# Allegro board 6089-119-RevB_08.brd (continued)
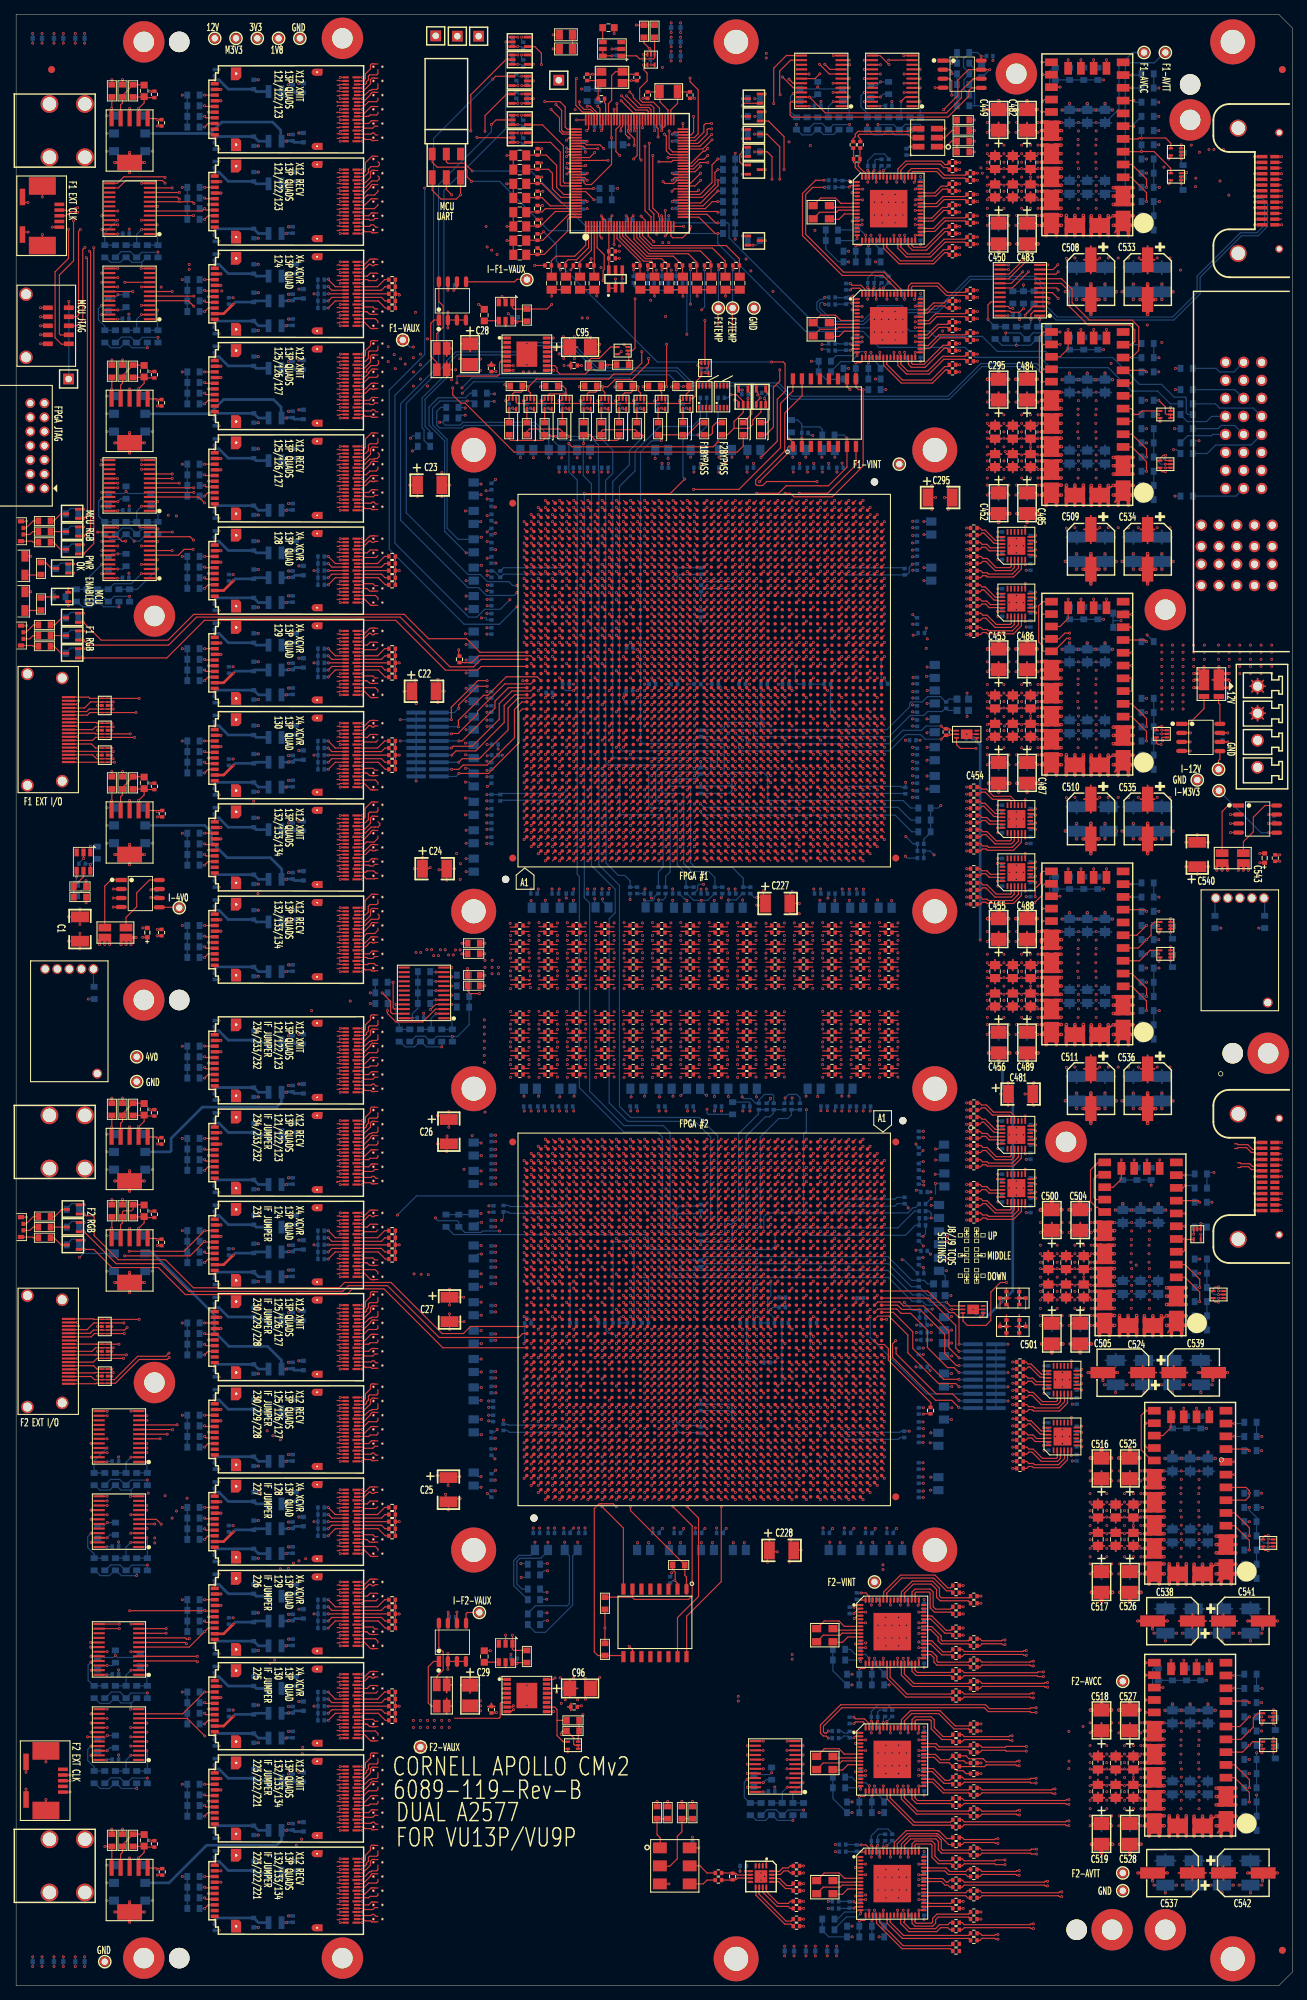
[diagram p0: board, top side]
## Routing (per net, layer and track width the routed paths; a pad name or vN(x,y) marks a point on that pad's centre or on a via; arc(x,y) is an arc through that point) (continued)
N19819505: length 9.5
  TOP w0.165: U75.U21 v1(87.61,178.51)
  SIG4 w0.079: v1(91.6,183.4) 91.5,183.4 91,182.9 91,179.2 90.75,178.95 88.05,178.95 v1(87.61,178.51)
  BOTTOM w0.165: R437.2 v1(91.6,183.4)
N19819631: length 12.7
  TOP w0.165: U75.V21 v1(88.61,178.51)
  SIG4 w0.079: v1(94.6,183.4) 94.5,183.4 94,182.9 94,178.3 93.65,177.95 89.17,177.95 v1(88.61,178.51)
  BOTTOM w0.165: R432.2 v1(94.6,183.4)
N19850586: length 12.5
  TOP w0.165: U75.AT15 v1(107.39,172.51)
  SIG4 w0.079: v1(107.39,172.51) 108,173.12 108,182.85 107.45,183.4 v1(107.45,183.39)
  BOTTOM w0.165: v1(107.45,183.39) 107.45,183.4 R385.2
N19850732: length 14.6
  TOP w0.165: U77.AT15 v1(86.61,105.29)
  BOTTOM w0.165: v1(86.61,105.29) 86.17,104.85 84.3,104.85 84.15,104.7 R453.2
N20924230: length 5.8
  TOP w0.165: U71.1 90.8,19.49 90.8,20.85 90.35,21.3 R112.2 R111.2
N20924377: length 10.3
  TOP w0.165: R109.2 R110.2 93.85,21.7 93.2,21.05 93.2,17.9 92.15,16.85 90.8,16.85 U71.2
N20926107: length 7
  TOP w0.165: X3.2 113.42,251.9 115.5,251.9 116.25,251.15 U86.7
N20926109: length 4.2
  TOP w0.165: X3.4 114.72,248.9 116,248.9 116.75,249.65 U86.10
N20926735: length 7
  TOP w0.165: U87.7 116.25,234.65 115.5,235.4 113.42,235.4 X4.2
N20926756: length 4.2
  TOP w0.165: U87.10 116.75,233.15 116,232.4 114.72,232.4 X4.4
N20932170: length 3.8
  TOP w0.165: v1(118.36,245.2) 118.37,245.2 119.1,245.2 119.25,245.35 U86.17
  BOTTOM w0.165: R347.1 R346.2 v1(118.36,245.2)
N20932208: length 3.1
  TOP w0.165: v1(120.14,245.2) 120.25,245.31 U86.19
  BOTTOM w0.165: v1(120.14,245.2) R325.2 R326.1
N20973779: length 3.8
  TOP w0.165: U87.17 119.25,228.85 119.1,228.7 118.37,228.7 v1(118.36,228.7)
  BOTTOM w0.165: v1(118.36,228.7) R348.2 R349.1
N20973817: length 3.1
  TOP w0.165: v1(120.14,228.7) 120.25,228.81 U87.19
  BOTTOM w0.165: v1(120.14,228.7) R327.2 R328.1
N21082310: length 4.7
  TOP w0.165: R144.2 R143.2 131.85,259.9 131.08,259.13 U92.1
N21082363: length 4.8
  TOP w0.165: R141.2 R142.2 131.9,261.4 130.9,260.4 U92.2
N21248818: length 11.1
  TOP w0.165: R75.1 63.25,186.45 63.28,186.43 63.6,186.43 63.62,186.45 64.25,186.45 65.2,187.4 72.55,187.4 73,186.95 U75.B29
N21249011: length 13.2
  TOP w0.165: R140.1 128.95,81.55 128.95,82.15 122.95,88.15 122.95,89.78 122.38,90.36 121.54,90.36 U77.B29
N21280069: length 5.7
  TOP w0.165: U75.BD21 v1(115.39,178.51)
  BOTTOM w0.165: R370.2 114.8,179.05 115.34,178.51 v1(115.39,178.51)
N21280113: length 8.4
  TOP w0.165: U75.L30 v1(81.61,188.29)
  SIG4 w0.079: v1(81.61,188.29) 81.17,187.85 79.45,187.85 79.1,187.5 79.1,183.8 78.69,183.39 v1(78.6,183.39)
  BOTTOM w0.165: v1(78.6,183.39) 78.6,183.4 R460.2
N21280155: length 15.1
  TOP w0.165: U75.W32 v1(89.61,190.29)
  SIG4 w0.079: v1(89.61,190.29) 90.05,189.85 94.6,189.85 95.05,189.4 95.05,183.9 95.55,183.4 v1(97.4,183.4)
  BOTTOM w0.165: R422.2 v1(97.4,183.4)
N21280269: length 6.7
  TOP w0.165: U77.BD21 v1(78.61,99.29)
  BOTTOM w0.165: v1(78.61,99.29) 78.1,98.78 R459.2
N21280313: length 4.6
  TOP w0.165: U77.L30 v1(112.39,89.51)
  BOTTOM w0.165: R375.2 111.95,89.95 v1(112.39,89.51)
N21280357: length 7.4
  TOP w0.165: U77.W32 v1(104.39,87.51)
  BOTTOM w0.165: v1(104.39,87.51) 103.95,87.95 103.35,87.95 103,88.3 R409.2
N21339021: length 2
  TOP w0.165: U77.U24 v1(106.39,96.29)
  BOTTOM w0.165: R388.2 107.1,97 v1(106.39,96.29)
N21339091: length 1.8
  TOP w0.165: U77.U25 v1(106.39,95.29)
  BOTTOM w0.165: R389.2 106.7,95.6 v1(106.39,95.29)
N21339158: length 1.3
  TOP w0.165: U75.U25 v1(87.61,182.51)
  BOTTOM w0.165: R451.2 87.6,182.5 v1(87.61,182.51)
N21339226: length 1.6
  TOP w0.165: U75.U24 v1(87.61,181.51)
  BOTTOM w0.165: R452.2 v1(87.61,181.51)
N21339296: length 1.3
  TOP w0.165: U75.D24 v1(74.61,181.51)
  BOTTOM w0.165: v1(74.61,181.51) 74.7,181.6 R461.2
N21339365: length 1.5
  TOP w0.165: U75.T31 v1(86.61,189.29)
  BOTTOM w0.165: R450.2 86.05,188.65 86.61,189.21 v1(86.61,189.29)
N21339436: length 1.9
  TOP w0.165: U77.T31 v1(107.39,88.51)
  BOTTOM w0.165: R395.2 106.68,87.8 v1(107.39,88.51)
N21339504: length 1.2
  TOP w0.165: U77.D24 v1(119.39,96.29)
  BOTTOM w0.165: v1(119.39,96.29) 119.39,96.84 R336.2
N21429495: length 5.6
  TOP w0.165: v1(131.9,266.4) 131.9,268.4 131.59,268.71 U93.3
  BOTTOM w0.165: v1(131.9,266.4) R293.1 R294.2
N21429547: length 3.9
  TOP w0.165: v1(131.9,269.4) 131.9,269.75 131.66,269.99 U93.2
  BOTTOM w0.165: v1(131.9,269.4) R291.1 R292.2
N21429593: length 3.6
  TOP w0.165: v1(131.9,270.9) 131.54,271.25 U93.1
  BOTTOM w0.165: v1(131.9,270.9) R290.2 R289.1
N21827883: length 30.5
  TOP w0.165: U68.110 80.2,256.4 v1(80.3,256.5)
  SIG2 w0.079: TP4.1 69.5,274.7 70.3,273.9 73.6,273.9 78.3,269.2 78.3,258.1 79.9,256.5 v1(80.3,256.5)
N21827890: length 13.5
  TOP w0.165: U68.109 v1(77.7,256.8)
  SIG2 w0.079: TP5.1 76.5,258 v1(77.7,256.8)
N184541773: length 1.9
  TOP w0.165: U2.4 v1(8.53,156.24)
  BOTTOM w0.165: C1229.2 8.5,156.21 v1(8.53,156.24)

## Copper pours and planes (outline as drawn; the poured copper is in the pictures)
12V_INPUT on TOP: 177.5,189.9 177.5,177.4 172.5,177.4 172.5,182.4 168.5,182.4 168.5,189.9
12V_INPUT on PWR4: 165.5,201.4 165.5,187.4 168.5,187.4 168.5,176.9 178.5,176.9 178.5,201.4
GND on TOP: 136.7,180.55 136.7,177.45 144.65,177.45 144.65,180.55
GND on TOP: 154.75,101.45 154.75,98.45 161.8,98.45 161.8,101.45
GND on TOP: 161.75,66.45 161.75,63.45 168.8,63.45 168.8,66.45
GND on TOP: 147.25,256.45 147.25,253.45 154.3,253.45 154.3,256.45
GND on TOP: 136.7,256.55 136.7,253.45 144.65,253.45 144.65,256.55
GND on TOP: 161.75,30.95 161.75,27.95 168.8,27.95 168.8,30.95
GND on TOP: 136.7,142.55 136.7,139.45 144.65,139.45 144.65,142.55
GND on TOP: 151.2,31.05 151.2,27.95 159.15,27.95 159.15,31.05
GND on TOP: 136.7,218.55 136.7,215.45 144.65,215.45 144.65,218.55
GND on TOP: 147.25,218.45 147.25,215.45 154.3,215.45 154.3,218.45
GND on TOP: 144.2,101.55 144.2,98.45 152.15,98.45 152.15,101.55
GND on TOP: 147.25,142.45 147.25,139.45 154.3,139.45 154.3,142.45
GND on TOP: 151.2,66.55 151.2,63.45 159.15,63.45 159.15,66.55
GND on TOP: 147.25,180.45 147.25,177.45 154.3,177.45 154.3,180.45
GND on BOTTOM: 136.7,142.55 136.7,139.45 154.3,139.45 154.3,142.55
GND on BOTTOM: 144.2,101.55 144.2,98.45 161.8,98.45 161.8,101.55
GND on BOTTOM: 136.7,180.55 136.7,177.45 154.3,177.45 154.3,180.55
GND on BOTTOM: 136.7,256.55 136.7,253.45 154.3,253.45 154.3,256.55
GND on BOTTOM: 136.7,218.55 136.7,215.45 154.3,215.45 154.3,218.55
GND on BOTTOM: 151.2,31.05 151.2,27.95 168.8,27.95 168.8,31.05
GND on BOTTOM: 151.2,66.55 151.2,63.45 168.8,63.45 168.8,66.55
GND on GND1: 1,1.9 1,209.5 6,209.5 6,224.5 1,224.5 1,275.9 179.5,275.9 179.5,230.9 164.5,230.9 164.5,195.4 179.5,195.4 179.45,177 173.5,177 173.5,170 179.45,170 179.5,1.9 ; 3 cut-outs
GND on GND2: 1,1.9 1,209.5 6,209.5 6,224.5 1,224.5 1,275.9 179.5,275.9 179.5,230.9 164.5,230.9 164.5,195.4 179.5,195.4 179.5,177 173.5,177 173.5,170 179.5,170 179.5,1.9 ; 3 cut-outs
GND on GND3, GND4: 1,1.9 1,209.5 6,209.5 6,224.5 1,224.5 1,275.9 179.5,275.9 179.5,230.9 164.5,230.9 164.5,195.4 179.5,195.4 179.5,177 173.5,177 173.5,170 179.5,170 179.5,1.9 ; 3 cut-outs
GND on GND5: 1,1.9 1,209.5 6,209.5 6,224.5 1,224.5 1,275.9 179.5,275.9 179.5,230.9 164.5,230.9 164.5,195.4 179.5,195.4 179.5,177 173.5,177 173.5,170 179.5,170 179.5,1.9 ; 3 cut-outs
GND on GND6: 1,1.9 1,209.5 3,209.5 3,224.5 1,224.5 1,275.9 179.5,275.9 179.5,1.9
(no net) on PWR4: 65,104.4 77.5,104.4 77.5,110.4 116.5,110.4 116.5,104.4 127,104.4 127,83.7 116.6,83.7 116.6,78.4 77.5,78.4 77.5,83.2 64.5,83.34 64.5,32.6 55.5,32.6 55.5,99.35 65,99.35
V_1V8 on TOP: 136.7,133.3 136.7,139.1 144.75,139.1 144.75,133.3
V_1V8 on TOP: 154.2,139.1 154.2,136.2 147.15,136.2 147.15,139.1
V_1V8 on BOTTOM: 136.7,132.3 136.7,139.1 154.2,139.1 154.2,136.2 147.6,136.2 147.6,132.3
V_1V8 on PWR2: 1,275.9 1,1.9 178.5,1.9 178.5,275.9
V_3V3 on TOP: 74.5,42.4 76.5,42.4 76.5,43.7 79.5,43.7 79.5,39.9 78.65,39.9 78.65,38.4 76.5,38.4 76.5,39.9 74.5,39.9
V_3V3 on TOP: 147.15,142.7 147.15,149.5 154.7,149.5 154.7,142.7
V_3V3 on TOP: 136.7,142.7 136.7,148.8 144.75,148.8 144.75,142.7
V_3V3 on TOP: 74.5,231.4 76.5,231.4 76.5,232.75 79.5,232.75 79.5,228.9 78.6,228.9 78.6,227.4 76.5,227.4 76.5,228.9 74.5,228.9
V_3V3 on BOTTOM: 136.7,142.7 136.7,149.5 154.7,149.5 154.7,142.7
V_3V3 on PWR5: 1,1.9 1,275.9 178.5,275.9 178.5,1.9
V_4V0 on PWR1: 1,1.9 1,139.8 10.5,139.8 10.5,263.8 25.4,263.8 25.4,1.9
V_12V on TOP: 163,49.9 163,55.9 165.5,55.9 165.5,59.8 172.2,59.8 172.2,55.9 173,55.9 173,49.9
V_12V on TOP: 147.75,126.5 147.75,131.9 151.3,131.9 151.3,135.8 157.7,135.8 157.7,131.9 163.45,131.9 163.45,126.5
V_12V on TOP: 147.75,240.5 147.75,245.9 151.3,245.9 151.3,249.8 157.7,249.8 157.7,245.9 163.45,245.9 163.45,240.5
V_12V on TOP: 163,14.4 163,20.4 165.5,20.4 165.5,24.3 172.2,24.3 172.2,20.4 173,20.4 173,14.4
V_12V on TOP: 147.75,202.5 147.75,207.9 151.3,207.9 151.3,211.8 157.7,211.8 157.7,207.9 163.45,207.9 163.45,202.5
V_12V on TOP: 168,189.9 168,182.4 166,182.4 166,179.4 161,179.4 161,189.9
V_12V on TOP: 156,84.9 156,90.9 158.5,90.9 158.5,94.8 165.2,94.8 165.2,90.9 166,90.9 166,84.9
V_12V on TOP: 147.75,164.5 147.75,169.9 151.3,169.9 151.3,173.8 157.7,173.8 157.7,169.9 163.45,169.9 163.45,164.5
V_12V on BOTTOM: 160,50.9 160,55.9 165.8,55.9 165.8,59.8 172.2,59.8 172.2,55.9 176,55.9 176,50.9
V_12V on BOTTOM: 147.75,240.5 147.75,245.1 151.3,245.1 151.3,249.8 157.7,249.8 157.7,245.9 163.45,245.9 163.45,240.5
V_12V on BOTTOM: 153,85.9 153,90.9 158.8,90.9 158.8,94.8 165.2,94.8 165.2,90.9 169,90.9 169,85.9
V_12V on BOTTOM: 147.75,126.5 147.75,131.1 151.3,131.1 151.3,135.8 157.7,135.8 157.7,131.9 163.45,131.9 163.45,126.5
V_12V on BOTTOM: 147.75,164.5 147.75,169.1 151.3,169.1 151.3,173.8 157.7,173.8 157.7,169.9 163.45,169.9 163.45,164.5
V_12V on BOTTOM: 160,15.4 160,20.4 165.8,20.4 165.8,24.3 172.2,24.3 172.2,20.4 176,20.4 176,15.4
V_12V on BOTTOM: 147.75,202.5 147.75,207.1 151.3,207.1 151.3,211.8 157.7,211.8 157.7,207.9 163.45,207.9 163.45,202.5
V_12V on PWR1: 165.6,1.9 165.6,24.4 165.6,52.5 165.6,59.6 168.5,59.6 168.5,85.4 156,85.4 156,94.6 162.5,94.6 162.5,126.5 147.8,126.5 147.8,151.2 155,151.2 155,164.9 148,164.9 148,173.6 155,173.6 155,202.9 148,202.9 148,211.6 155,211.6 155,226 147.6,226 147.6,254.7 26,254.7 26,264.4 9.9,264.4 9.9,140.4 1,140.4 1,275.9 178.5,275.9 178.5,1.9
V_F1_AVCC on TOP: 147.15,256.7 147.15,263.5 154.7,263.5 154.7,256.7
V_F1_AVCC on TOP: 136.7,256.7 136.7,262.8 144.75,262.8 144.75,256.7
V_F1_AVCC on BOTTOM: 136.7,256.7 136.7,263.5 154.7,263.5 154.7,256.7
V_F1_AVCC on PWR3: 154.5,262.9 154.5,248.87 141,248.83 141,152.4 62.5,152.4 62.5,175.95 117.45,175.95 117.45,194.9 78.5,194.9 78.5,193.1 62.5,193.1 62.5,212.65 66.85,212.65 66.85,220.25 81.7,220.25 123,262.9
V_F1_AVTT on TOP: 136.7,247.3 136.7,253.1 144.75,253.1 144.75,247.3
V_F1_AVTT on TOP: 154.2,253.1 154.2,250.2 147.15,250.2 147.15,253.1
V_F1_AVTT on BOTTOM: 136.7,246.3 136.7,253.1 154.2,253.1 154.2,250.2 147.6,250.2 147.6,246.3
V_F1_AVTT on PWR1: 147.2,139.2 26,139.2 26,254.1 147,254.1 147,226 53.8,226 53.8,151.2 75.8,151.2 75.8,155 79.4,155 79.4,151.2 116.7,151.2 116.7,155 121,155 121,151.2 147.2,151.2
V_F1_AVTT on PWR4: 156.45,253.4 107.3,253.4 107.3,231.8 65.5,231.8 65.5,197.4 70,197.4 70,195.2 76.8,195.2 76.8,200.3 117.1,200.3 117.1,194.8 127.4,194.8 127.4,174.7 125.9,174.7 125.9,172.9 116.5,172.9 116.5,169.3 117.1,169.3 117.1,168.05 116.5,168.05 116.5,167.6 77.05,167.6 77.05,172.7 63.2,172.7 63.2,139.25 152.85,139.25 152.85,229.1 156.45,229.1
V_F1_INT on TOP: 136.7,180.7 136.7,186.8 144.75,186.8 144.75,180.7
V_F1_INT on TOP: 136.7,218.7 136.7,224.8 144.75,224.8 144.75,218.7
V_F1_INT on TOP: 147.15,218.7 147.15,225.5 154.7,225.5 154.7,218.7
V_F1_INT on TOP: 136.7,171.3 136.7,177.1 144.75,177.1 144.75,171.3
V_F1_INT on TOP: 154.2,177.1 154.2,174.2 147.15,174.2 147.15,177.1
V_F1_INT on TOP: 154.2,215.1 154.2,212.2 147.15,212.2 147.15,215.1
V_F1_INT on TOP: 136.7,209.3 136.7,215.1 144.75,215.1 144.75,209.3
V_F1_INT on TOP: 147.15,180.7 147.15,187.5 154.7,187.5 154.7,180.7
V_F1_INT on BOTTOM: 136.7,208.3 136.7,215.1 154.2,215.1 154.2,212.2 147.6,212.2 147.6,208.3
V_F1_INT on BOTTOM: 136.7,170.3 136.7,177.1 154.2,177.1 154.2,174.2 147.6,174.2 147.6,170.3
V_F1_INT on BOTTOM: 136.7,218.7 136.7,225.5 154.7,225.5 154.7,218.7
V_F1_INT on BOTTOM: 136.7,180.7 136.7,187.5 154.7,187.5 154.7,180.7
V_F1_INT on PWR1: 54.4,225.4 54.4,151.8 75.2,151.8 75.2,155.6 80,155.6 80,151.8 116.1,151.8 116.1,155.6 121.6,155.6 121.6,151.8 154,151.8 154,164.4 147.5,164.4 147.5,174.2 154.5,174.2 154.5,202.4 147.5,202.4 147.5,212.2 154.5,212.2 154.5,225.4
V_F1_INT on PWR5: 54,225.4 54,148.9 154,148.9 154,225.4
V_F1_INT on PWR6: 154,148.9 54,148.9 54,221.9 133.5,221.9 133.5,225.4 154,225.4
V_F1_VCCAUX on TOP: 53.2,233 57.75,233 57.75,226.55 60.4,226.55 60.4,228.95 62.25,228.95 62.25,226.05 61.1,226.05 61.1,224.9 55.5,224.9 55.5,230.5 53.2,230.5
V_F1_VCCAUX on PWR4: 58.5,233 58.5,231.84 65,231.85 65,196.9 69.5,196.9 69.5,194.7 78,194.7 78,199.25 116.4,199.25 116.4,194.3 126.9,194.3 126.9,175.25 125.35,175.25 125.35,173.4 115.7,173.4 115.7,168.6 77.65,168.57 77.65,173.31 63.2,173.3 63.2,181.25 55.5,181.25 55.5,230.5 53.2,230.5 53.2,233
V_F2_AVCC on TOP: 161.65,31.2 161.65,38 169.2,38 169.2,31.2
V_F2_AVCC on TOP: 151.2,31.2 151.2,37.3 159.25,37.3 159.25,31.2
V_F2_AVCC on BOTTOM: 151.2,31.2 151.2,38 169.2,38 169.2,31.2
V_F2_AVCC on PWR3: 169,30.9 123,30.9 123,60.4 65.2,60.4 65.2,82.74 82.1,82.7 115.7,82.84 115.7,105.1 64,105.1 64,137 169,137
V_F2_AVTT on TOP: 151.2,21.8 151.2,27.6 159.25,27.6 159.25,21.8
V_F2_AVTT on TOP: 168.7,27.6 168.7,24.7 161.65,24.7 161.65,27.6
V_F2_AVTT on BOTTOM: 151.2,20.8 151.2,27.6 168.7,27.6 168.7,24.7 162.1,24.7 162.1,20.8
V_F2_AVTT on PWR1: 165,1.9 165,53.3 55.2,53.3 55.2,126.5 76,126.5 76,122.8 79.2,122.8 79.2,126.5 116.7,126.5 116.7,122.8 121,122.8 121,126.5 147.2,126.5 147.2,138.6 26,138.6 26,1.9
V_F2_AVTT on PWR4: 65.3,105.1 65.3,138.4 156.55,138.4 156.55,58.9 168.5,58.9 168.5,14.9 65.3,14.9 65.3,82.7 76.9,82.7 76.9,77.9 117.2,77.9 117.2,83.2 127.5,83.2 127.5,104.9 117.2,104.9 117.2,111 76.8,111 76.8,105.1
V_F2_INT on TOP: 151.2,57.3 151.2,63.1 159.25,63.1 159.25,57.3
V_F2_INT on TOP: 144.2,92.3 144.2,98.1 152.25,98.1 152.25,92.3
V_F2_INT on TOP: 168.7,63.1 168.7,60.2 161.65,60.2 161.65,63.1
V_F2_INT on TOP: 154.65,101.7 154.65,108.5 162.2,108.5 162.2,101.7
V_F2_INT on TOP: 151.2,66.7 151.2,72.8 159.25,72.8 159.25,66.7
V_F2_INT on TOP: 161.7,98.1 161.7,95.2 154.65,95.2 154.65,98.1
V_F2_INT on TOP: 161.65,66.7 161.65,73.5 169.2,73.5 169.2,66.7
V_F2_INT on TOP: 144.2,101.7 144.2,107.8 152.25,107.8 152.25,101.7
V_F2_INT on BOTTOM: 144.2,101.7 144.2,108.5 162.2,108.5 162.2,101.7
V_F2_INT on BOTTOM: 144.2,91.3 144.2,98.1 161.7,98.1 161.7,95.2 155.1,95.2 155.1,91.3
V_F2_INT on BOTTOM: 151.2,56.3 151.2,63.1 168.7,63.1 168.7,60.2 162.1,60.2 162.1,56.3
V_F2_INT on BOTTOM: 151.2,66.7 151.2,73.5 169.2,73.5 169.2,66.7
V_F2_INT on PWR1: 55.8,125.9 55.8,53.87 165,53.9 165,60.2 167.9,60.2 167.9,84.9 155.5,84.9 155.5,95.2 162,95.2 162,125.9 121.6,125.9 121.6,122.2 116.1,122.2 116.1,125.9 79.8,125.9 79.8,122.2 75.4,122.2 75.4,125.9
V_F2_INT on PWR5: 54,127.9 54,53.9 162,53.9 162,127.9
V_F2_INT on PWR6: 54,127.9 54,53.9 162.5,53.9 162.5,59.9 168,59.9 168,84.9 162,84.9 162,127.9
V_F2_VCCAUX on TOP: 55.5,32.6 55.5,38.25 60.2,38.25 60.2,40.65 62.1,40.65 62.1,32.6
V_M3V3 on PWR6: 1,2 1,276.8 178.5,276.8 178.5,2
N16018066 on TOP: 60.25,233 60.25,229.35 62,229.35 62,229.8 66.15,229.8 66.15,228.1 67.7,228.1 67.7,229.35 68.75,229.35 68.75,231.1 67.65,231.1 67.65,232.9 69.3,232.9 69.3,234.3 68.7,234.3 68.7,233.65 61.35,233.65 61.35,233
N16487961 on TOP: 60.25,44.05 60.25,40.95 66.35,40.95 66.35,39.05 67.9,39.05 67.9,40.35 68.75,40.35 68.75,42.15 67.65,42.15 67.65,43.95 69.3,43.95 69.3,45.35 68.7,45.35 68.7,44.65 61.35,44.65 61.35,44.05
N18389223 on PWR4: 171.5,158.9 171.5,151.4 178.5,151.4 178.5,158.9
N18444836 on PWR4: 8.5,148.9 8.5,141.4 20.2,141.4 20.2,148.9

## Text on the board
Ref Des/Silkscreen Bottom: 3.8V | 3.3V | HRD10 | HRD01 | C889 | C882 | C703 | C700 | C702 | C701 | C672 | C674 | C671 | C673 | C667 | C645 | C646 | C627 | C628 | C609 | C611 | C610 | C612 | C586 | C587 | C588 | C589 | F1JTAG | F2JTAG | C698 | C696 | C699 | C697 | C668 | C670 | C669
User.Comments: ATCA -3.57,16.7 | BOARD 0,0 | BOARD 3.57,-16.7 | ATCA 0,0 | Dwg Number:  6089-119-revB | Contact: | 607-272-1751 | Cornell University | crs5@cornell.edu | Charlie Strohman | BOARD SPECIFICATIONS CONTAINED IN FILE: | README_FAB_6089-119-RevB.PDF
Ref Des/Assembly Top: U34B | U35B | U36B | U37B | U38B | U39B | U40B | U41B | U42B | U43B | U25B | U26B | U27B | U28B | U29B | U30B | U31B | U32B | U33B | U24B
Ref Des/Silkscreen Top: F2 EXT I/O | F1 EXT I/O | GND | 4V0 | I-4V0 | 12V | M3V3 | 3V3 | 1V8 | F1-VAUX | C22 | C26 | C25 | C27 | C23 | C24 | F2-VAUX | UART | MCU | I-F2-VAUX | C28 | C29 | I-F1-VAUX | A1 | C96 | C95 | FPGA #1 | FPGA #2 | C227 | C228 | F2-VINT | F1-VINT | C295 | C454 | MIDDLE | DOWN | UP | C450 | C453 | C455 | C456 | C481 | C484 | C483 | C486 | C488 | C489 | C501 | C500 | C511 | C508 | C509 | C510 | C504 | F2-AVCC | F2-AVTT | C517 | C519 | C516 | C518 | C505 | C536 | C533 | C534 | C535 | C525 | C526 | C527 | C528 | C524 | C538 | C537 | I-M3V3 | I-12V | C539 | C540 | C542 | C541 | FPGA JTAG | C1 | F1 EXT CLK | F2 EXT CLK | OK | MCU JTAG | PWR | ENABLED | MCU RGB | F1 RGB | F2 RGB | 234/233/232 | 231 | 230/229/228 | 227 | 226 | 225 | 223/222/221 | IF JUMPER | 121/122/123 | 124 | 125/126/127 | 128 | 129 | 130 | 132/133/134 | 13P QUADS | 13P QUAD | X12 XMIT | X12 RECV | X4 XCVR | F1BYPASS | F1TEMP | F2BYPASS | F2TEMP | SETTINGS | J8/J9 TCDS | C449 | C452 | C482 | C485 | C487 | F1-AVCC | F1-AVTT | C543 | CORNELL APOLLO CMv2 | 6089-119-Rev-B | DUAL A2577 | FOR VU13P/VU9P
XSECTION_CHART: OVERHANGING COMPONENTS | 5 PLACES | ADD MIN 0.5" ASSEMBLY RAILS ROUTED ON | ALL 4 SIDES WITH MOUSEBITES | ADD 0.125" TOOLING HOLES - 4 PLACES | ADD 0.040" FIDUCIALS ON BOTH TOP AND BOTTOM | ROUT OUT THESE AREAS AS SHOWN FOR | *  SURFACE - 0 MM | *  DIELECTRIC - 0.02032 MM | L1 TOP CONDUCTOR - 0.03556 MM | *  DIELECTRIC - 0.08839 MM | L2 GND1 PLANE - 0.01524 MM | *  DIELECTRIC - 0.0762 MM | L3 SIG1 CONDUCTOR - 0.01524 MM | *  DIELECTRIC - 0.09652 MM | L4 GND2 PLANE - 0.01524 MM | L5 SIG2 CONDUCTOR - 0.01524 MM | *  DIELECTRIC - 0.09347 MM | L6 GND3 PLANE - 0.03048 MM | L7 PWR1 PLANE - 0.06604 MM | *  DIELECTRIC - 0.10566 MM | L8 PWR2 PLANE - 0.06604 MM | L9 PWR3 PLANE - 0.03556 MM | L10 PWR4 PLANE - 0.03556 MM | L11 PWR5 PLANE - 0.06604 MM | L12 PWR6 PLANE - 0.06604 MM | L13 GND4 PLANE - 0.03048 MM | L14 SIG3 CONDUCTOR - 0.01524 MM | L15 GND5 PLANE - 0.01524 MM | L16 SIG4 CONDUCTOR - 0.01524 MM | L17 GND6 PLANE - 0.01524 MM | L18 BOTTOM CONDUCTOR - 0.03556 MM | DESIGN CROSS SECTION CHART | ___________________________ | TOTAL THICKNESS 2.11328 MM | 1-18 | B18-4-3 | B18-6-5 | B18-15-14 | B18-17-16
User.30: NOTES: | - MNC_LAYER: MUST-NOT-CUT-LAYER | - MAX_DEPTH: DEPTH FROM START LAYER TO THE | SURFACE OF MUST-NOT-CUT-LAYER | - MFG_STUB : MANUFACTURING STUB LENGTH | FIGURE | BD_SIZE | 0.3556 | MNC_LAYER | SIG4 | BACKDRILL: BOTTOM to GND6 | ALL UNITS ARE IN MILLIMETERS | MAX_DEPTH | 0.2153 | MFG_STUB | - | QTY | 460
User.31: NOTES: | - MNC_LAYER: MUST-NOT-CUT-LAYER | - MAX_DEPTH: DEPTH FROM START LAYER TO THE | SURFACE OF MUST-NOT-CUT-LAYER | - MFG_STUB : MANUFACTURING STUB LENGTH | FIGURE | BD_SIZE | 0.3556 | MNC_LAYER | SIG3 | BACKDRILL: BOTTOM to GND5 | ALL UNITS ARE IN MILLIMETERS | MAX_DEPTH | 0.4185 | MFG_STUB | - | QTY | 432
User.32: NOTES: | - MNC_LAYER: MUST-NOT-CUT-LAYER | - MAX_DEPTH: DEPTH FROM START LAYER TO THE | SURFACE OF MUST-NOT-CUT-LAYER | - MFG_STUB : MANUFACTURING STUB LENGTH | FIGURE | BD_SIZE | 0.3556 | MNC_LAYER | SIG1 | BACKDRILL: BOTTOM to GND2 | ALL UNITS ARE IN MILLIMETERS | MAX_DEPTH | 1.842 | MFG_STUB | - | QTY | 416
User.33: NOTES: | - MNC_LAYER: MUST-NOT-CUT-LAYER | - MAX_DEPTH: DEPTH FROM START LAYER TO THE | SURFACE OF MUST-NOT-CUT-LAYER | - MFG_STUB : MANUFACTURING STUB LENGTH | FIGURE | BD_SIZE | 0.3556 | MNC_LAYER | SIG2 | BACKDRILL: BOTTOM to GND3 | ALL UNITS ARE IN MILLIMETERS | MAX_DEPTH | 1.6388 | MFG_STUB | - | QTY | 460
User.34: FIGURE | FINISHED_SIZE | 0.2032 | 0.7 | 0.762 | 0.889 | 0.9144 | 1.016 | 1.02 | 1.1684 | 1.27 | 1.397 | 1.905 | 1.91 | 2.8956 | 3.4036 | 0.89 | 1.0414 | 1.45 | 3.2 | DRILL CHART: TOP to BOTTOM | ALL UNITS ARE IN MILLIMETERS | PLATED | NON-PLATED | QTY | 1768 | 8466 | 4 | 40 | 5 | 12 | 44 | 2 | 20 | 80
